# Altium PCB 1XGSH00_197制版1210.PcbDoc (continued)
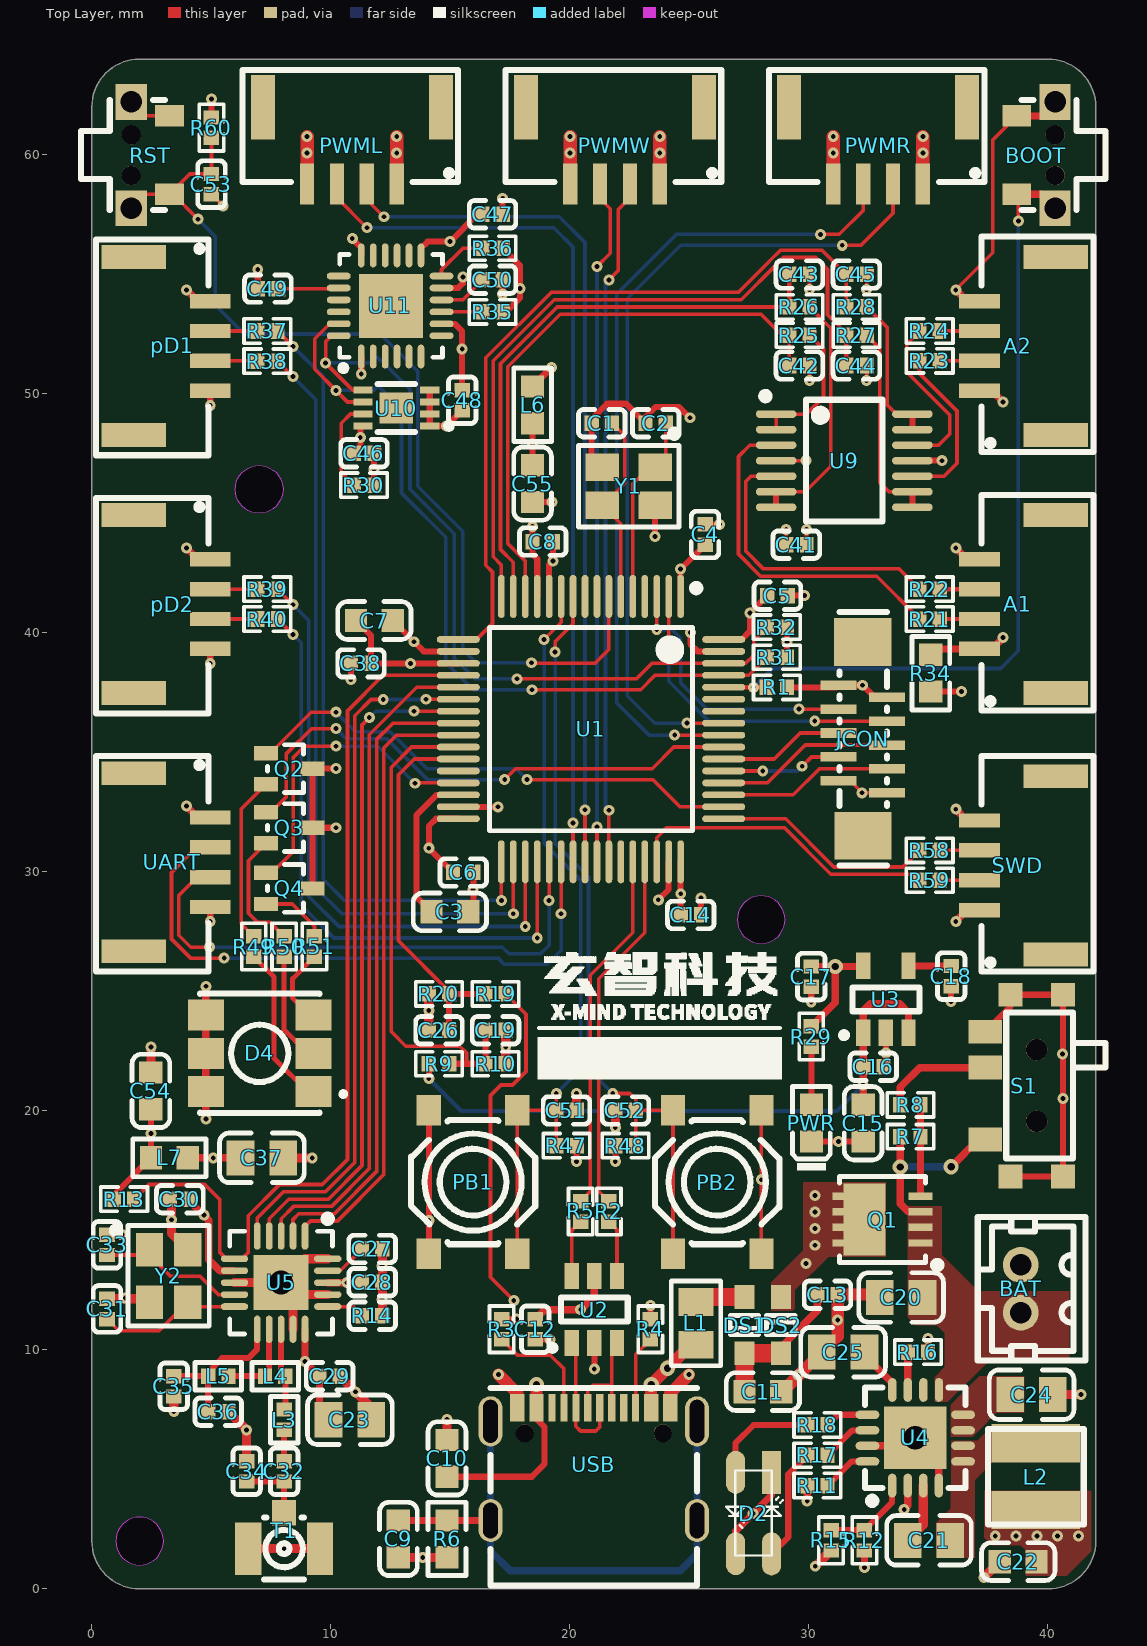
[diagram p0: Top Layer view]
## Footprints (in the part's own frame and the unit in brackets; to place one, negate y for a bottom-side part, rotate by r counter-clockwise, add the part's x,y. Pads: shape width x height; smd on the part's side, far side on the other; paste and mask are expansions set on the pad) (continued)
QFN-24_4x4x05P [mm]
  rect 2.68x2.68 smd mask+0.051: 0(0,0)
  oval 0.28x1 smd mask+0.051: 1(-1.25,-2.118) 2(-0.75,-2.118) 3(-0.25,-2.118) 4(0.25,-2.118) 5(0.75,-2.118) 6(1.25,-2.118) 13(1.25,2.112) 14(0.75,2.112) 15(0.25,2.112) 16(-0.25,2.112) 17(-0.75,2.112) 18(-1.25,2.112)
  oval 1x0.28 smd mask+0.051: 7(2.109,-1.25) 8(2.109,-0.75) 9(2.109,-0.25) 10(2.109,0.25) 11(2.109,0.75) 12(2.109,1.25) 19(-2.191,1.25) 20(-2.191,0.75) 21(-2.191,0.25) 22(-2.191,-0.25) 23(-2.191,-0.75) 24(-2.191,-1.25)
  silkscreen extent -2.15,-2.72 2.15,2.15, body extent -2.02,-2.03 2.02,2.01, height 0.88
SC-70(SC-70-3) [mm]
  rect 1x0.6 smd: 1(0.97,-0.65) 2(-0.97,0) 3(0.97,0.65)
  silkscreen extent -0.6,-1 0.9,1, body extent -1.12,-1.1 1.12,1.1, height 1.1
SMD-3225_4P [mm]
  rect 1.4x1.15 smd: 1(-1.1,-0.927) 2(1.1,-0.927) 3(1.1,0.673) 4(-1.1,0.673)
  silkscreen extent -2.1,-2.48 2.1,1.57, body extent -1.6,-1.38 1.6,1.12, height 0.61
SOD-323 [mm]
  rect 1x0.83 smd: 1(1.18,0) 2(-1.18,0)
  silkscreen extent -0.4,-0.6 0.4,0.6, body extent -1.35,-0.62 1.35,0.63, height 1.1
SOT-23-5 [mm]
  rect 1.1x0.6 smd: 1(-1.4,0.95) 2(-1.4,0) 3(-1.4,-0.95) 4(1.4,-0.95) 5(1.4,0.95)
  silkscreen extent -1.62,-1.4 0.5,1.87, body extent -1.25,-1.5 1.25,1.5, height 1.06
SOT-23-6 [mm]
  rect 1.1x0.6 smd: 1(-1.403,0.889) 2(-1.403,-0.061) 3(-1.403,-1.011) 4(1.397,-1.011) 5(1.397,-0.061) 6(1.397,0.889)
  silkscreen extent -1.73,-1.46 0.5,1.81, body extent -1.23,-1.46 1.19,1.33, height 1.09
SW-SMD_3P-SK-3296S-01-L1 [mm]
  rect 1x1 smd: 0(-3.8,-1.625) 0(-3.8,0.575) 0(3.8,-1.625) 0(3.8,0.575)
  rect 1x1.4 smd: 1(-2.25,1.625) 2(0.75,1.625) 3(2.25,1.625)
  round 0.9 hole 0.9 unplated: ""(-1.5,-0.525) ""(1.5,-0.525)
  silkscreen extent -3.05,-3.4 3.05,0.75, body extent -3.9,-3.4 3.9,1.85, height 1.35
SW-SMD_4P-L5.2-W5.2-P3.70-LS6.4 [mm]
  rect 1.27x1.016 smd: 1(-3,1.85) 2(3,1.85) 3(-3,-1.85) 4(3,-1.85)
  silkscreen extent -2.6,-2.6 2.6,2.6, body extent -3.2,-2.6 3.2,2.6, height 1.5
SW-SMD_TS-1010B-B-A [mm]
  rect 0.9x1.2 smd: 1(-1.64,-0.8) 2(1.64,-0.8)
  rect 1.5x1.3 hole 0.9: 3(-2.225,0.8) 4(2.225,0.8)
  round 0.8 hole 0.8 unplated: ""(-0.85,0.8) ""(0.85,0.8)
  silkscreen extent -2.3,-0.6 2.3,2.9, body extent -2.33,-0.76 2.33,2.9, height 2.65
TSSOP-14 [mm]
  oval 0.32x1.7 smd: 1(-1.95,-2.85) 2(-1.3,-2.85) 3(-0.65,-2.85) 4(0,-2.85) 5(0.65,-2.85) 6(1.3,-2.85) 7(1.95,-2.85) 8(1.95,2.85) 9(1.3,2.85) 10(0.65,2.85) 11(0,2.85) 12(-0.65,2.85) 13(-1.3,2.85) 14(-1.95,2.85)
  silkscreen extent -2.85,-3.45 2.55,1.6
UDFN-8L [mm]
  rect 1.3x1.4 smd: 0(0,0)
  rect 0.3x0.8 smd: 1(-0.75,-1.4) 2(-0.25,-1.4) 3(0.25,-1.4) 4(0.75,-1.4) 5(0.75,1.4) 6(0.25,1.4) 7(-0.25,1.4) 8(-0.75,1.4)
  silkscreen extent -1,-2.32 1,0.79, body extent -1,-1.5 1,1.5, height 0.53
"USB_TypeC_16Pin (2.0)" [mm]
  oval 1x1.799 hole 0.61 slot 1.5 at 90 deg: 0(-4.572,-1.458) 0(4.068,-1.458)
  oval 1x2.099 hole 0.61 slot 1.8 at 90 deg: 0(-4.572,2.692) 0(4.068,2.692)
  round 0.75 hole 0.756 unplated: 0(-3.142,2.192)
  round 0.75 hole 0.75: 0(2.638,2.192)
  rect 0.6x1.15 smd: A1B12(-3.452,3.267) A4B9(-2.652,3.267) B1A12(2.948,3.267) B4A9(2.148,3.267)
  rect 0.3x1.15 smd: A5(-1.502,3.267) A6(-0.502,3.267) A7(-0.002,3.267) A8(-2.002,3.267) B5(1.498,3.267) B6(0.498,3.267) B7(-1.002,3.267) B8(0.998,3.267)
  silkscreen extent -4.57,-4.18 4.07,4.08, body extent -4.72,-4.15 4.23,3.6, height 3.3
X1251WRS-04HF-LPSW [mm]
  rect 0.6x1.7 smd: 1(-1.875,1.6) 2(-0.625,1.6) 3(0.625,1.6) 4(1.875,1.6)
  rect 1x2.7 smd: 5(3.725,-1.6) 6(-3.725,-1.6)
  silkscreen extent -4.45,-3.18 4.57,1.52, body extent -4.12,-3.05 4.12,1.85, height 4.35

## Part data
BAT: library part XH2.5, "XH2.5 Connector"
BOOT PB1 PB2 RST: library part SW-PB-SPST
C1 C2 C3 C4 C5 C6 C7 C8 C9 C10 C11 C12 C13 C14 C15 C16 C17 C18 C19 C20 C21 C22 C23 C24 C25 C26 C27 C28 C29 C30 C31 C32 C33 C34 C35 C36 C37 C38 C41 C42 C43 C44 C45 C46 C47 C48 C49 C50 C51 C52 C53 C54 C55: library part Capacitor, "Capacitor"
D2: library part LED_Dual_2, "Dual LED Single Package"
D4: "5050 RGB LED"
DS1 DS2: library part "Diode Scotty", "Scotty Diode"
JCON: "FPC 0.5mm 14P"
L1 L2 L6 L7: library part Inductor, "Inductor", Code_IEC=1005, Code_JEITA=0402, LatestRevisionDate=29-May-2009, LatestRevisionNote="IPC-7351 Footprint Added.", PackageDescription="Chip Inductor", PackageReference=0402-A, Published=8-Jun-2000, Publisher="Altium Limited"
Q1: "P-Channel MOSFET"
Q2 Q3 Q4: library part MMBT3904, "NPN Bipolar Transistor", Code_JEDEC=TO-226-AA, LatestRevisionDate=17-Jul-2002, LatestRevisionNote="Re-released for DXP Platform.", PackageDescription="TO, Flat Index; 3 In-Line, Axial Leads; Body Dia. 4.8mm; Leads 0.55 x 0.51 mm (max)", PackageReference=TO-226-AA, Published=8-Jun-2000, Publisher="Altium Limited"
R1 R2 R3 R4 R5 R6 R7 R8 R9 R10 R11 R12 R15 R16 R17 R18 R19 R20 R21 R22 R23 R24 R25 R26 R27 R28 R29 R30 R31 R32 R34 R35 R36 R37 R38 R39 R40 R47 R48 R49 R50 R51 R58 R59 R60: library part Resistor, "Resistor"
R13 R14: library part Resistor
S1: library part SW_SPDT, "SPDT Swtch Slide"
T1: library part ANT_IPEX1, "IPEX"
U1: "STM32 Series MCU"
U3: library part RT9193, "RT9193-LDO"
U4: "5V 输入两节锂电池升压充电IC"
U5: "超低功耗高性能 2.4GHz GFSK 无线收发芯片"
U9: "4 Channels OPAMP"
U10: "EEPROM"
U11: library part MPU6050, "GyroScope (IMU)"
USB: library part "USB TypeC 16Pin"
Y1 Y2: library part XTAL_SMD
L3 L4 L5: Code_IEC=1005, Code_JEITA=0402, LatestRevisionDate=29-May-2009, LatestRevisionNote="IPC-7351 Footprint Added.", PackageDescription="Chip Inductor", PackageReference=0402-A, Published=8-Jun-2000, Publisher="Altium Limited"

## Free pads (board coordinates)
  round 1.5 hole 1: 2(7.919,12.811) 3(34.449,6.325)

## Via types
v1: diameter 0.457, hole 0.203, Top Layer to Bottom Layer, 189 vias
v2: diameter 0.635, hole 0.305, Top Layer to Bottom Layer, 6 vias

## Nets (pads, with @x,y where several pads share a name; then routed paths per layer and width w, separated by ;. In a path a pad name is that pad's centre, name@x,y a point inside that pad or via, vN(x,y) a via of type N, cw(c..) or ccw(c..) an arc to the next point about the centre after c; other vN are vias at no path point)
+3.3V: A1.4 A2.4 BOOT.1 BOOT.3 C4.2 C5.2 C6.2 C7.2 C14.2 C17.2 C38.2 C46.2 C47.2 C48.2 C54.2 D4.4 D4.5 D4.6 JCON.1 JCON.2 L6.1 L7.1 pD1.1 pD2.1 R13.1 R29.1 R31.1 R32.1 R35.1 R36.2 R47.1 R48.1 R60.1 SWD.4 U1.1 U1.19 U1.32 U1.48 U1.64 U3.5 U10.8 U11.8 U11.13 UART.1 | length 68.6
  Top Layer w0.152: JCON.2 31.727,33.805 v1(32.227,33.305) JCON.1 ; v1(36.145,54.347) 37.694,55.896 37.694,60.617 BOOT.1
  Top Layer w0.254: R13.1 0.928,16.489 L7.1 v1(2.473,19.05) C54.2 ; R60.1 v1(5.004,62.332) ; C46.2 11.232,47.776 v1(11.232,48.162) 11.232,48.548 U10.8 ; C7.2 11.684,39.878 C38.2 v1(13.335,38.719) U1.19 ; U11.13 13.771,56.087 14.046,56.363 v1(14.986,56.363) C47.2@16.129,57.506 ; U11.8 15.186,52.925 15.494,52.617 C48.2 ; C6.2 v1(14.097,30.988) 14.097,31.916 14.4,32.219 U1.32 ; R35.1 17.332,53.425 17.907,54 v1(17.907,54.407) 17.907,55.37 R36.2 ; v1(20.281,17.882) R47.1 ; v1(21.9,17.882) R48.1 ; C14.2 U1.48 ; U1.1@24.633,40.772 U1.1 v1(24.633,42.667) C4.2 ; U1.64 27.197,39.719 27.534,40.056 v1(27.534,40.83) C5.2 ; R31.1 v1(29.084,39.605) R32.1
  Top Layer w0.305: v1(3.965,32.747) 4.437,32.275 UART.1 ; v1(3.965,43.547) 4.437,43.075 pD2.1 ; v1(3.965,54.347) 4.437,53.875 pD1.1 ; v1(4.771,19.66) D4.6 D4.5 D4.4 v1(4.771,25.21) ; L6.1 v1(19.228,51.099) ; C17.2@29.928,26.041 v2(31.098,26.041) ; R29.1 31.098,24.533 v2(31.098,26.041) ; U3.5@32.268,26.041 v2(31.098,26.041) ; v1(36.145,32.62) 36.617,32.148 SWD.4 ; v1(36.145,43.547) 36.617,43.075 A1.4 ; v1(36.145,54.347) 36.617,53.875 A2.4 ; BOOT.1 39.715,61.623 BOOT.3
  other v1: 24.638,29.083 15.494,51.867
+3.3V-RF: C23.2 C28.2 C29.2 C30.2 C37.2 L7.2 U5.7 U5.15 U5.18 | length 12
  Top Layer w0.305: C30.2@4.013,16.307 4.673,15.646 v1(4.699,15.646) 4.699,15.621 4.893,15.427 4.893,13.776 5.358,13.311 U5.7 ; L7.2 v1(5.08,18.034) C37.2 ; U5.15 v1(8.919,9.507) C29.2 9.525,7.46 C23.2 ; U5.18 v1(10.668,12.811) 11.287,12.811 C28.2
+3.3VA: C8.2 C41.1 C55.2 L6.2 U1.13 U9.4 | length 28.1
  Top Layer w0.152: U9.4 v1(29.883,47.199) ; C41.1 v1(29.899,44.323)
  Top Layer w0.254: v1(18.437,44.45) C8.2 18.437,43.285 18.633,43.089 U1.13 ; C55.2 v1(18.437,47.89) L6.2
  PWR w0.381: v1(18.437,44.45) v1(18.437,47.89) 18.437,49.044 19.406,50.013 28.703,50.013 29.883,48.833 v1(29.883,47.199) 29.899,47.183 v1(29.899,44.323)
+5.0V: C11.2 C13.2 DS1.2 DS2.1 | length 6.2
  Top Layer w0.305: DS2.1 28.829,10.111 30.353,11.635 C13.2
  Top Layer w0.762: C11.2 DS1.2 DS2.1
AGND: A1.1 A2.1 C8.1 C41.2 C42.1 C43.1 C44.1 C45.1 C55.1 R34.1 U1.12 U9.11 | length 12.6
  Top Layer w0.152: C41.2 v1(29.049,44.323) ; v1(30.026,50.546) C42.1 ; v1(30.026,54.356) C43.1 ; v1(32.412,50.546) C44.1 ; v1(32.412,54.356) C45.1
  Top Layer w0.254: C55.1 v1(19.256,45.472) ; U1.12 19.133,42.842 v1(19.287,42.996) C8.1 ; U9.11 v1(35.56,47.199)
  Top Layer w0.305: R34.1 35.35,39.325 A1.1 ; A2.1 37.653,50.125 v1(38.125,49.653) ; v1(38.125,39.797) A1.1@37.653,39.325 ; A1.1 A1.1@37.653,39.325 ; A1.1 A1.1@37.653,39.325
ANALOG_IN0: A1.2 R21.1 | length 1.7
  Top Layer w0.178: R21.1 A1.2
ANALOG_IN1: A1.3 R22.1 | length 1.7
  Top Layer w0.178: R22.1 A1.3
ANALOG_IN2: A2.2 R23.1 | length 1.7
  Top Layer w0.152: R23.1 A2.2
ANALOG_IN3: A2.3 R24.1 | length 1.7
  Top Layer w0.152: R24.1 A2.3
BOOT0: BOOT.2 BOOT.4 R1.2 U1.60 | length 34.5
  Top Layer w0.152: BOOT.2 38.76,58.283 v1(38.76,57.226)
  Top Layer w0.203: U1.60 v1(27.686,37.719) R1.2
  Top Layer w0.305: BOOT.2 39.715,58.343 BOOT.4
  Bottom Layer w0.152: v1(27.686,37.719) 28.473,38.506 38.024,38.506 38.76,39.243 v1(38.76,57.226)
DIGITAL_IO0: pD1.2 R37.1 | length 2
  Top Layer w0.152: pD1.2@4.955,52.625 R37.1
DIGITAL_IO1: pD1.3 R38.1 | length 2
  Top Layer w0.152: pD1.3 6.909,51.375 R38.1
DIGITAL_IO2: pD2.2 R39.1 | length 2
  Top Layer w0.152: pD2.2 R39.1
DIGITAL_IO3: pD2.3 R40.1 | length 2
  Top Layer w0.152: pD2.3 4.956,40.576 R40.1
GND: BAT.2 C1.1 C2.1 C3.2 C4.1 C5.1 C6.1 C7.1 C9.1 C10.1 C11.1 C12.1 C13.1 C14.1 C15.1 C16.1 C17.1 C18.2 C19.1 C20.1 C22.1 C23.1 C24.1 C25.2 C26.1 C27.2 C28.1 C29.1 C30.1 C31.1 C33.2 C34.1 C35.1 C36.1 C37.1 C38.1 C46.1 C47.1 C48.1 C49.1 C50.2 C51.1 C52.1 C53.1 C54.1 JCON.9 JCON.10 pad.2 pad.3 PB1.1 PB1.2 PB2.1 PB2.2 pD1.4 pD2.4 PWML.4 PWMR.4 PWMW.4 PWR.2 Q2.2 Q3.2 Q4.2 R1.1 R3.1 R4.1 R6.2 R10.2 R14.2 R15.2 R16.2 R20.2 R30.2 R34.2 RST.2 RST.4 S1.0 S1.3 SWD.1 T1.1 T1.3 U1.18 U1.31 U1.47 U1.63 U2.2 U3.2 U4.0 U4.4 U4.15 U5.0 U5.8 U5.14 U5.17 U5.20 U10.1 U10.2 U10.3 U10.4 U11.1 U11.11 U11.18 UART.4 USB.A1B12 USB.B1A12 Y1.2 Y1.4 Y2.2 Y2.4 | length 140.9
  Top Layer w0.152: RST.4 2.236,61.623 RST.2 ; C53.1 v1(5.486,57.861) ; PB2.2 v1(28.012,17.12) PB2.1
  Top Layer w0.254: v1(4.955,27.916) UART.4 ; v1(4.955,38.716) pD2.4 ; v1(4.955,49.516) pD1.4 ; C49.1 v1(6.943,55.203) ; Q4.2 Q3.2 ; v1@10.114,31.844 Q3.2 ; v1@10.114,34.315 Q2.2 Q3.2 ; v1(10.834,38.037) C38.1 ; v1(10.897,56.49) 11.271,56.115 U11.18 ; v1(11.271,50.832) U11.1 ; R30.2 v1(11.811,46.841) C46.1 ; C7.1 v1(13.478,39.624) 13.883,39.219 U1.18 ; PB1.1 PB1.2 ; U10.4 U10.3 U10.2 U10.1 v1(14.844,48.653) C48.1 ; U11.11 15.334,54.425 15.524,54.615 v1(15.524,54.889) ; U1.31 v1(16.989,32.719) ; C3.2 15.963,28.536 C6.1 ; R3.1 v1(17.764,11.288) ; v1(17.189,54.178) C50.2 ; C47.1 v1(17.189,58.18) ; C12.1 v1(19.166,10.438) ; v1(21.021,9.205) U2.2 ; Y1.2 20.911,47.381 C1.1 20.911,48.938 21.554,49.581 22.351,49.581 C2.1 23.164,49.03 23.588,49.454 24.562,49.454 v1(25.019,48.997) ; R4.1 v1(23.368,11.862) ; v1(23.563,44.028) Y1.4 ; v1(23.698,28.829) 24.13,29.261 24.13,30.416 U1.47 ; v1(25.044,40.005) 25.044,39.522 25.348,39.219 U1.63 ; C14.1 v1(25.483,28.912) ; C4.1 v1(26.252,44.538) ; R1.1 31.158,37.719 JCON.10 v1(32.248,37.805) 32.748,37.305 JCON.9 ; C5.1 v1(29.817,41.554) ; v1(30.097,24.551) C17.1 ; PWR.2 v1(31.242,18.713) C15.1 ; C16.1 33.218,21.944 v1(33.218,22.428) U3.2 ; R16.2 v1(34.984,10.473) ; R34.2 v1(36.376,37.538) ; v1(35.95,24.571) C18.2 ; S1.3 38.425,24.358 38.425,24.858 40.625,24.858 v1(40.625,20.523) 40.625,17.258 S1.0@38.425,17.258
  Top Layer w0.305: U4.15 34.109,5.984 U4.0 35.435,5.339 U4.4 ; v1(36.145,27.926) 36.617,28.398 SWD.1
  Top Layer w0.381: C31.1 2.274,12.138 Y2.2 ; C33.2 v1(1.262,14.82) ; C54.1 v1(2.473,22.666) ; C30.1 3.331,16.307 v1(3.331,15.443) 3.331,14.88 Y2.4 ; v1(3.429,7.417) C35.1 ; C36.1 v1(6.477,6.654) C34.1 ; U5.8 U5.0 ; T1.1 v1(8.045,1.686) T1.3 ; C37.1 v1(9.22,18.034) ; U5.14 U5.0@8.419,12.311 ; U5.17 U5.0@8.419,12.311 ; U5.20 8.919,13.811 U5.0 ; C29.1 v1(11.031,8.246) 11.686,7.59 C23.1 ; R14.2 C28.1 C27.2 ; C9.1 R6.2 ; C26.1@14.097,23.495 v1(14.097,24.193) R20.2 ; C10.1 v1(14.859,7.087) ; R10.2 v1(17.316,22.669) C19.1 ; C51.1 v1(20.281,20.726) ; v1(21.9,19.309) C52.1 ; v1(30.265,0.947) R15.2 ; v1(37.325,0.483) C22.1 ; C24.1 v1(41.377,8.128) ; U5.0 U5.0@8.419,12.311
  Top Layer w0.508: v1(17.018,8.966) 17.8,8.184 USB.A1B12 ; USB.B1A12 24.2,8.184 v1(24.982,8.966) ; C11.1 28.89,8.255 C25.2 31.203,10.568 v1(31.203,11.252) C13.1 32.849,12.311 C20.1
  Top Layer w0.559: PWML.4 v1(9.005,60.078) v1(9.005,60.757) ; PWMW.4 v1(20.012,60.078) v1(20.012,60.757) ; PWMR.4 v1(31.018,60.078) v1(31.018,60.757)
  other v1: 13.843,1.321 29.54,8.941 12.141,12.116 1.397,12.167 12.141,13.513 14.097,15.418 40.615,22.377 15.951,29.261 10.211,31.844 10.211,34.315
I2C_SCL: R31.2 U1.61 U10.6 U11.23 | length 34.2
  Top Layer w0.152: U11.23 9.949,52.925 9.322,52.298 9.322,51.029 v1(10.211,50.14) 10.697,49.653 U10.6 ; v1(18.415,37.617) 22.962,37.617 23.563,38.219 U1.61 27.477,38.219 R31.2
  Bottom Layer w0.152: v1(10.211,50.14) 11.786,50.14 11.976,50.33 12.954,49.352 12.954,45.847 14.808,43.993 14.808,38.76 15.951,37.617 v1(18.415,37.617)
I2C_SDA: R32.2 U1.62 U10.5 U11.24 | length 34.5
  Top Layer w0.152: U11.24 10.032,52.425 9.779,52.172 v1(9.779,51.283) 10.909,50.153 U10.5 ; v1(17.78,38.075) 22.784,38.075 23.428,38.719 U1.62 27.34,38.719 27.686,39.065 27.686,39.685 R32.2
  Bottom Layer w0.152: v1(9.779,51.283) 9.786,51.289 11.626,51.289 11.899,51.562 12.051,51.41 12.071,51.429 13.31,50.19 13.31,45.999 15.164,44.145 15.164,38.938 16.027,38.075 v1(17.78,38.075)
IMU_INT: R36.1 U11.12 | length 2.1
  Top Layer w0.152: U11.12 14.63,55.194 15.524,56.088 R36.1@16.129,56.088
MABI: PWML.2 U1.40 | length 36.4
  Top Layer w0.152: PWML.2 11.505,58.116 v1(12.217,57.404) ; U1.40 v1(20.633,32.593)
  Bottom Layer w0.152: v1(12.217,57.404) 19.558,57.404 20.633,56.329 v1(20.633,32.593)
MAFI: PWML.3 U1.39 | length 37
  Top Layer w0.152: PWML.3 10.255,58.198 v1(11.506,56.947) ; U1.39 v1(20.133,32.034)
  Bottom Layer w0.152: v1(11.506,56.947) 19.329,56.947 20.133,56.143 v1(20.133,32.034)
MBBI: PWMR.2 U1.57 | length 34.9
  Top Layer w0.152: v1(24.892,36.219) U1.57 ; v1(31.394,56.21) 32.182,56.21 33.518,57.546 PWMR.2
  Bottom Layer w0.152: v1(24.892,36.219) 23.547,36.219 22.403,37.363 22.403,53.975 24.638,56.21 v1(31.394,56.21)
MBFI: PWMR.3 U1.56 | length 35
  Top Layer w0.152: v1(24.384,35.719) U1.56 ; v1(30.48,56.667) 31.267,56.667 32.268,57.668 PWMR.3
  Bottom Layer w0.152: v1(24.384,35.719) 23.311,35.719 21.954,37.075 21.954,54.161 24.46,56.667 v1(30.48,56.667)
MCU_ADC0: C42.2 R25.2 U1.14 | length 24.2
  Top Layer w0.152: U1.14 18.133,43.005 17.399,43.739 17.399,51.128 19.596,53.325 27.996,53.325 28.87,52.451 R25.2 C42.2
MCU_ADC1: C43.2 R26.2 U1.15 | length 24.4
  Top Layer w0.152: U1.15 17.633,42.946 17.094,43.485 17.094,51.254 19.47,53.63 R26.2
  Top Layer w0.178: R26.2 C43.2
MCU_ADC2: C44.2 R27.2 U1.16 | length 30.3
  Top Layer w0.152: U1.16 17.133,42.833 16.789,43.177 16.789,51.381 19.344,53.935 27.173,53.935 28.647,55.41 28.939,55.702 30.277,55.702 30.778,55.201 30.778,53.309 31.562,52.525 R27.2
  Top Layer w0.178: C44.2 R27.2
MCU_ADC3: C45.2 R28.2 U1.17 | length 31.7
  Top Layer w0.152: U1.17 16.097,39.719 16.764,40.386 16.764,42.545 16.485,42.824 16.485,51.507 19.217,54.24 27.047,54.24 28.343,55.536 ; 28.343,55.537 28.813,56.007 30.546,56.007 C45.2 R28.2
MWBI: PWMW.2 U1.42 | length 28.8
  Top Layer w0.152: U1.42 v1(21.633,32.576) ; v1(21.633,54.762) 22.022,55.151 22.022,57.709 22.511,58.198 PWMW.2
  Bottom Layer w0.152: v1(21.633,32.576) 21.488,32.72 21.488,54.618 v1(21.633,54.762)
MWFI: PWMW.3 U1.41 | length 28.8
  Top Layer w0.152: U1.41 v1(21.133,31.882) ; v1(21.133,55.321) 21.692,55.88 21.692,57.734 21.262,58.164 PWMW.3
  Bottom Layer w0.152: v1(21.133,31.882) v1(21.133,55.321)
NetC1_2: C1.2 U1.6 Y1.3 | length 8.2
  Top Layer w0.152: C1.2 22.291,48.238 22.291,46.258 Y1.3 22.133,44.559 U1.6
NetC2_2: C2.2 U1.5 Y1.1 | length 8
  Top Layer w0.152: U1.5 22.633,46.238 23.324,46.929 Y1.1 24.014,47.381 C2.2
NetC3_1: C3.1 U1.30 | length 6.4
  Top Layer w0.254: C3.1 13.589,28.94 13.589,32.385 14.423,33.219 U1.30
NetC9_2: C9.2 R6.1 USB.0@16.68,2.86 USB.0@16.68,7.01 USB.0@25.32,2.86 USB.0@25.32,7.01 | length 24.1
  Top Layer w0.305: C9.2 R6.1 USB.0@16.68,2.86
  Bottom Layer w0.305: USB.0@16.68,7.01 16.68,2.86 16.68,1.583 17.501,0.762 24.613,0.762 25.32,1.469 25.32,2.86 USB.0@25.32,7.01
NetC18_1: C18.1 U3.4 | length 1.8
  Top Layer w0.305: U3.4 34.174,26.06 C18.1
NetC21_1: C21.1 L2.2 U4.5 U4.6
NetC21_2: C21.2 U4.3 | length 2.6
  Top Layer w0.381: C21.2 34.784,2.682 U4.3
NetC24_2: C24.2 U4.7 U4.8
NetC25_1: C25.1 U4.12 | length 2.1
  Top Layer w0.305: C25.1@32.193,9.906 33.489,8.61 U4.12
NetC27_1: C27.1 U5.19 | length 1.8
  Top Layer w0.152: U5.19 10.39,13.311 C27.1
NetC31_2: C31.2 U5.10 Y2.3 | length 6.1
  Top Layer w0.152: C31.2 1.128,10.795 2.81,10.795 Y2.3 4.2,11.811 U5.10
NetC32_1: C32.1 L3.2 | length 1.3
  Top Layer w0.254: C32.1 L3.2
NetC32_2: C32.2 C34.2 T1.2 | length 2.9
  Top Layer w0.254: C34.2 C32.2 T1.2
NetC33_1: C33.1 U5.9 Y2.1 | length 6
  Top Layer w0.152: C33.1 2.401,13.97 3.29,13.081 4.529,13.081 5.299,12.311 U5.9
NetC35_2: C35.2 C36.2 L5.2 U5.11 | length 6.4
  Top Layer w0.254: C35.2 L5.2 ; C36.2 L5.2 ; U5.11 6.919,10.026 6.545,9.652 5.445,9.652 4.865,9.072 L5.2
NetC49_2: C49.2 U11.20 | length 2.5
  Top Layer w0.152: C49.2 10.303,54.398 U11.20
NetC50_1: C50.1 U11.10 | length 2
  Top Layer w0.152: U11.10 15.52,53.925 16.129,54.534 C50.1@16.129,54.774
NetC51_2: C51.2 PB1.3 PB1.4 R47.2 U1.11 | length 32
  Top Layer w0.152: PB1.3 PB1.4 C51.2 ; v1(18.923,39.726) 19.633,40.436 U1.11 ; R47.2 C51.2 ; v1(19.431,20.726) C51.2
  Bottom Layer w0.152: v1(18.923,39.726) 18.923,31.182 20.447,29.658 20.447,21.742 v1(19.431,20.726)
NetC52_2: C52.2 PB2.3 PB2.4 R48.2 U1.10 | length 32.7
  Top Layer w0.152: v1@19.38,39.167 v1(19.38,39.192) 19.38,39.624 20.133,40.377 U1.10 ; v1(21.793,20.726) 22.504,20.726 22.75,20.481 C52.2 ; R48.2 C52.2 ; PB2.4 PB2.3 C52.2
  Bottom Layer w0.152: v1(19.38,39.192) 19.38,31.191 20.777,29.794 20.777,21.742 v1(21.793,20.726)
NetD2_2: D2.2 R17.2 | length 4.7
  Top Layer w0.254: D2.2 29.134,2.163 29.134,4.797 R17.2
NetD2_3: D2.3 R18.2 | length 4.5
  Top Layer w0.254: D2.3 26.936,6.108 27.686,6.858 R18.2
NetD4_1: D4.1 R49.1 | length 6.8
  Top Layer w0.203: R49.1 7.62,25.602 7.62,22.208 9.025,20.803 D4.1
NetD4_2: D4.2 R50.1 | length 4.8
  Top Layer w0.203: R50.1 8.044,23.386 8.958,22.471 D4.2@9.271,22.784
NetD4_3: D4.3 R51.1 | length 3.1
  Top Layer w0.203: D4.3@9.271,24.384 8.726,24.384 8.4,24.71 8.4,25.533 R51.1
NetDS1_1: DS1.1 L1.2 | length 2.1
  Top Layer w0.762: L1.2 25.492,12.217 DS1.1
NetJCON_3: JCON.3 U1.51 | length 7.3
  Top Layer w0.152: U1.51 29.342,33.219 30.429,34.305 JCON.3
NetJCON_4: JCON.4 U1.53 | length 5.1
  Top Layer w0.152: U1.53 v1(28.067,34.219) ; v1(29.718,34.417) 30.107,34.806 JCON.4
  Bottom Layer w0.152: v1(28.067,34.219) 29.52,34.219 v1(29.718,34.417)
NetJCON_5: JCON.5 U1.52 | length 7.5
  Top Layer w0.152: U1.52 28.258,33.719 29.843,35.304 JCON.5
NetJCON_6: JCON.6 U1.54 | length 5.3
  Top Layer w0.152: U1.54 28.549,34.719 29.636,35.806 JCON.6
NetJCON_7: JCON.7 U1.2 | length 13.4
  Top Layer w0.152: v1(24.133,39.624) U1.2 ; v1(30.244,36.304) JCON.7
  Bottom Layer w0.152: v1(24.133,39.624) 24.133,37.97 25.799,36.304 v1(30.244,36.304)
NetJCON_8: JCON.8 U1.3 | length 11.6
  Top Layer w0.152: v1(23.633,40.135) U1.3 ; v1(29.591,36.807) JCON.8
  Bottom Layer w0.152: v1(23.633,40.135) 24.269,40.135 24.638,39.766 24.638,37.896 25.727,36.807 v1(29.591,36.807) ; v1@29.591,36.83 v1@29.718,36.83
NetL3_1: L3.1 L4.2 U5.13 | length 3.5
  Top Layer w0.152: L4.2@7.919,9.078 L4.2 ; L3.1 L3.1@8.096,7.555
  Top Layer w0.254: L4.2@7.919,9.078 U5.13 ; L3.1@8.096,7.555 L4.2
NetL4_1: L4.1 L5.1 U5.12 | length 3.6
  Top Layer w0.152: L4.1 L4.1@7.419,9.075
  Top Layer w0.254: L5.1 L4.1 ; L4.1@7.419,9.075 U5.12
NetPWR_1: PWR.1 R29.2 | length 2.4
  Top Layer w0.254: PWR.1 R29.2@30.107,22.682
NetQ2_1: Q2.1 U1.50 | length 21.2
  Top Layer w0.152: Q2.1@7.525,35.019 9.184,36.678 v1(10.211,36.678) ; v1(18.212,33.858) 23.47,33.858 24.609,32.719 U1.50
  Bottom Layer w0.152: v1(10.211,36.678) 11.024,35.865 12.471,35.865 14.02,34.315 17.755,34.315 v1(18.212,33.858)
NetQ2_3: Q2.3 R49.2 | length 7
  Top Layer w0.152: R49.2 6.248,27.823 6.248,32.629 Q2.3
NetQ3_1: Q3.1 U1.55 | length 23
  Top Layer w0.152: Q3.1 7.5,32.494 8.128,33.122 8.128,34.924 9.196,35.992 v1@10.135,35.992 ; v1(17.272,33.858) 17.729,34.315 23.447,34.315 24.351,35.219 U1.55
  Bottom Layer w0.152: v1(10.211,35.992) 10.643,35.56 12.344,35.56 14.046,33.858 v1(17.272,33.858)
NetQ3_3: Q3.3 R50.2 | length 5.1
  Top Layer w0.152: Q3.3 6.553,30.462 6.553,28.263 6.927,27.889 7.452,27.889 R50.2
NetQ4_1: Q4.1 U1.29 | length 13
  Top Layer w0.152: Q4.1@7.525,29.954 8.433,30.862 8.433,34.798 8.89,35.255 v1(10.211,35.255) ; v1(13.513,33.706) 13.526,33.719 U1.29
  Bottom Layer w0.152: v1(10.211,35.255) 11.963,35.255 v1(13.513,33.706)
NetQ4_3: Q4.3 R51.2 | length 2.8
  Top Layer w0.152: Q4.3 8.379,28.654 9.314,27.719 R51.2
NetR2_1: R2.1 U2.4 | length 2.4
  Top Layer w0.152: R2.1 21.971,15.029 U2.4
NetR3_2: R3.2 USB.A5 | length 4.7
  Top Layer w0.152: R3.2 17.804,9.779 19.177,9.779 19.75,9.206 USB.A5
NetR4_2: R4.2 USB.B5 | length 3.1
  Top Layer w0.152: USB.B5 22.75,9.82 R4.2
NetR5_1: R5.1 U2.6 | length 2.4
  Top Layer w0.152: U2.6 20.071,14.991 R5.1
NetR8_2: R8.2 S1.2 | length 4.1
  Top Layer w0.305: R8.2 33.821,20.994 34.635,21.808 S1.2@36.839,21.808
NetR11_1: R11.1 U4.16 | length 2.1
  Top Layer w0.254: R11.1 31.787,5.334 U4.16
NetR12_2: R12.2 R15.1 U4.1 | length 3.7
  Top Layer w0.254: R15.1 R12.2 33.484,3.619 U4.1
NetR14_1: R14.1 U5.16 | length 1.6
  Top Layer w0.152: U5.16 10.922,11.811 R14.1
NetR16_1: R16.1 U4.11 | length 1.6
  Top Layer w0.305: R16.1 34.139,9.901 U4.11
NetR17_1: R17.1 U4.14 | length 2.1
  Top Layer w0.254: R17.1 31.821,6.634 U4.14
NetR18_1: R18.1 U4.13 | length 1.8
  Top Layer w0.254: R18.1 31.205,7.285 U4.13
NetR21_2: R21.2 U9.3 | length 14.6
  Top Layer w0.152: U9.3 27.529,47.849 27.051,47.371 27.051,43.291 27.975,42.367 32.835,42.367 R21.2
NetR22_2: R22.2 U9.5 | length 12.2
  Top Layer w0.152: U9.5 27.576,46.549 27.356,46.329 27.356,43.417 28.101,42.672 33.78,42.672 R22.2
NetR23_2: R23.2 U9.10 | length 7
  Top Layer w0.152: U9.10 35.652,46.549 36.195,47.092 36.195,49.276 34.627,50.844 R23.2
NetR24_2: R24.2 U9.12 | length 7
  Top Layer w0.152: U9.12 35.425,47.849 35.89,48.314 35.89,49.113 34.098,50.905 34.098,52.096 R24.2
NetR25_1: R25.1 U9.1 U9.2 | length 5.8
  Top Layer w0.152: U9.2 U9.1 29.899,49.149 30.607,49.857 30.607,51.87 R25.1
NetR26_1: R26.1 U9.6 U9.7 | length 10.4
  Top Layer w0.152: U9.6 29.845,45.899 30.912,46.966 30.912,52.744 R26.1
  Top Layer w0.254: U9.7 U9.6
NetR27_1: R27.1 U9.8 U9.9 | length 8.6
  Top Layer w0.152: R27.1 32.968,51.895 32.968,46.28 33.349,45.899 U9.9
  Top Layer w0.254: U9.8 U9.9
NetR28_1: R28.1 U9.13 U9.14 | length 6.3
  Top Layer w0.152: R28.1 33.273,52.769 33.273,49.531 33.655,49.149 U9.14
  Top Layer w0.254: U9.13 U9.14
NetR30_1: R30.1 U10.7 | length 3.9
  Top Layer w0.152: R30.1 10.432,46.706 10.432,48.764 10.821,49.153 U10.7
NetR35_2: R35.2 U11.9 | length 1.5
  Top Layer w0.152: U11.9 R35.2@16.129,53.425
NetR37_2: R37.2 U1.33 | length 33.2
  Top Layer w0.152: R37.2 v1(8.419,51.975) ; v1(17.133,28.804) U1.33
  Bottom Layer w0.152: v1(8.419,51.975) 9.677,50.717 9.677,29.693 10.566,28.804 v1(17.133,28.804)
NetR38_2: R38.2 U1.34 | length 33.6
  Top Layer w0.152: R38.2 v1(8.419,50.715) ; v1(17.633,28.245) U1.34
  Bottom Layer w0.152: v1(8.419,50.715) 9.373,49.761 9.373,29.337 10.465,28.245 v1(17.633,28.245)
NetR39_2: R39.2 U1.35 | length 25.7
  Top Layer w0.152: R39.2 v1(8.419,41.175) ; v1(18.133,27.711) U1.35
  Bottom Layer w0.152: v1(8.419,41.175) 9.068,40.526 9.068,28.981 10.338,27.711 v1(18.133,27.711)
NetR40_2: R40.2 U1.36 | length 26
  Top Layer w0.152: R40.2 v1(8.419,39.926) ; v1(18.633,27.229) U1.36
  Bottom Layer w0.152: v1(8.419,39.926) 8.763,39.582 8.763,28.6 10.135,27.229 v1(18.633,27.229)
NetR58_1: R58.1 SWD.3 | length 1.7
  Top Layer w0.152: R58.1 SWD.3
NetR59_1: R59.1 SWD.2 | length 1.7
  Top Layer w0.152: R59.1 SWD.2
NetU1_37: U1.37 UART.3 | length 22.8
  Top Layer w0.152: v1(4.928,26.848) 4.14,26.848 3.638,27.35 3.638,27.396 3.636,27.399 3.636,29.01 4.4,29.775 UART.3 ; v1(19.133,28.804) U1.37
  Bottom Layer w0.152: v1(4.928,26.848) 17.17,26.848 17.45,26.568 18.771,26.568 19.133,26.931 v1(19.133,28.804)
NetU1_38: U1.38 UART.2 | length 25.5
  Top Layer w0.152: UART.2 4.38,31.025 3.331,29.976 3.331,27.272 3.334,27.27 3.334,27.186 4.129,26.391 v1(5.537,26.391) ; v1(19.633,28.245) U1.38
  Bottom Layer w0.152: v1(5.537,26.391) 16.993,26.391 17.247,26.137 19.05,26.137 19.633,26.72 v1(19.633,28.245)
NetU1_58: U1.58
NetU1_59: U1.59
NetU2_1: U2.1 USB.A7 USB.B7 | length 5.5
  Top Layer w0.152: U2.1 20.25,10.108 USB.B7 20.25,6.801 20.447,6.604 21.083,6.604 21.25,6.771 USB.A7
NetU2_3: U2.3 USB.A6 USB.B6 | length 4.6
  Top Layer w0.152: USB.A6 20.75,8.303 20.956,8.509 21.75,8.509 ; USB.B6 21.75,8.509 ; U2.3 21.75,10.066 21.75,8.509
nRST: C53.2 R60.2 RST.1 RST.3 U1.7 | length 41.8
  Top Layer w0.152: RST.3 2.236,58.343 RST.1 ; v1(4.445,57.302) 3.405,58.343 RST.1 ; R60.2 C53.2 4.102,59.194 RST.1 ; v1@18.39,38.719 21.041,38.719 21.633,39.311 U1.7
  Bottom Layer w0.152: v1(4.445,57.302) 5.156,56.591 5.156,53.721 6.375,52.502 12.065,52.502 13.64,50.927 13.64,46.126 15.519,44.247 15.519,39.294 16.069,38.744 v1(18.39,38.744)
P.MOS_G: Q1.G R7.2 R8.1 | length 3.8
  Top Layer w0.305: Q1.G R7.2 R8.1
RF_CE: U1.25 U5.1 | length 25.8
  Top Layer w0.152: U5.1 8.919,15.167 9.144,15.392 10.277,15.392 12.217,17.333 12.217,35.179 12.757,35.719 U1.25
RF_IRQ: R13.2 U1.20 U5.6 | length 38.4
  Top Layer w0.152: R13.2 2.388,16.916 4.719,16.916 5.358,16.277 5.358,14.073 5.62,13.811 U5.6 6.283,13.811 6.545,14.073 6.545,15.613 7.849,16.916 9.645,16.916 10.693,17.964 10.693,36.726 12.186,38.219 U1.20
SPI_CLK: U1.21 U5.3 | length 28
  Top Layer w0.152: U5.3 7.919,15.488 8.433,16.002 10.024,16.002 11.608,17.586 11.608,35.738 13.589,37.719 U1.21
SPI_CS: U1.24 U5.2 | length 26.8
  Top Layer w0.152: U5.2 8.419,15.457 8.659,15.697 10.15,15.697 11.913,17.459 11.913,35.535 12.597,36.219 U1.24
SPI_MISO: U1.22 U5.5 | length 29.1
  Top Layer w0.152: U5.5 6.919,15.516 8.015,16.612 9.772,16.612 10.998,17.838 10.998,36.525 11.684,37.211 v1(12.192,37.211) ; v1(13.978,37.219) U1.22
  Bottom Layer w0.152: v1(12.192,37.211) 13.97,37.211 v1(13.978,37.219)
SPI_MOSI: U1.23 U5.4 | length 28.2
  Top Layer w0.152: U5.4 7.419,15.488 8.238,16.307 9.898,16.307 11.303,17.712 11.303,36.144 v1(11.608,36.449) ; v1(13.478,36.719) U1.23
  Bottom Layer w0.152: v1(11.608,36.449) 11.878,36.719 v1(13.478,36.719)
SW_CLK: R58.2 U1.49 | length 9.3
  Top Layer w0.152: U1.49 29.025,32.219 31.043,30.201 33.93,30.201 R58.2
SW_DIO: R59.2 U1.46 | length 13.1
  Top Layer w0.152: U1.46 23.633,31.419 24.064,31.85 28.962,31.85 30.917,29.896 34.379,29.896 R59.2
USB_SMP: C26.2 R19.2 R20.1 U1.27 | length 15.9
  Top Layer w0.152: R20.1 14.947,24.99 12.827,27.11 12.827,34.061 13.485,34.719 U1.27
  Top Layer w0.254: C26.2 R20.1 R19.2
USBD_N: R5.2 U1.44 | length 15.1
  Top Layer w0.152: R5.2 20.853,16.623 20.853,25.674 22.633,27.454 U1.44
USBD_P: R2.2 U1.45 | length 15.2
  Top Layer w0.152: R2.2 21.209,16.641 21.209,25.527 23.133,27.451 U1.45
VBAT: BAT.1 C20.2 Q1.S R7.1 S1.1 U4.9 | length 7.3
  Top Layer w0.305: R7.1 v2(33.821,17.653) 33.821,16.112 34.134,15.799 ; v2(35.95,17.662) 37.096,18.808 S1.1
  Bottom Layer w0.305: v2(33.821,17.653) 33.83,17.662 v2(35.95,17.662)
VBAT_SMP: C19.2 R9.2 R10.1 U1.26 | length 21.1
  Top Layer w0.152: U1.26 13.375,35.219 12.522,34.366 12.522,23.317 13.132,22.708 15.392,22.708 15.672,22.428 15.672,21.971
  Top Layer w0.254: R9.2 15.672,21.971 R10.1 C19.2
VDC: C15.2 C16.2 DS2.2 PWML.1 PWMR.1 PWMW.1 Q1.D R9.1 U3.1 U3.3 | length 32.7
  Top Layer w0.254: v1(14.097,21.351) R9.1
  Top Layer w0.305: C15.2 v1(32.268,21.082) C16.2 U3.1 32.268,24.191 32.563,24.486 33.799,24.486 34.168,24.117 U3.3
  Top Layer w0.559: PWML.1 v1(12.755,60.078) v1(12.755,60.757) ; PWMW.1 v1(23.762,60.078) v1(23.762,60.757) ; PWMR.1 v1(34.768,60.078) v1(34.768,60.757)
  Bottom Layer w0.178: v1(14.097,21.351) 15.458,19.99 31.176,19.99 v1(32.268,21.082)
  other v1: 29.87,13.614 30.251,14.376 30.251,15.071 30.251,15.765 30.251,16.459
VUSB: C10.2 C12.2 C22.2 D2.1 D2.4 L1.1 L2.1 R11.2 R12.1 R19.1 U2.5 U4.2 USB.A4B9 USB.B4A9 | length 36
  Top Layer w0.152: R19.1 18.161,24.047 18.161,21.641 17.602,21.082 17.12,21.082 16.68,20.642 16.68,13.038 v1(17.653,12.065)
  Top Layer w0.254: C10.2 18.407,4.691 18.943,5.227 18.943,6.772 18.6,7.115 USB.A4B9
  Top Layer w0.305: C12.2@18.547,11.374 C12.2 18.943,11.684 v1(20.452,11.684) 21.021,12.253 U2.5 ; D2.4 26.936,2.425 v1(27.661,3.15) 28.436,3.925 D2.1 ; v1(29.928,3.676) R11.2 ; v1(32.322,0.901) R12.1 ; v1(33.985,3.327) 34.134,3.476 U4.2
  Top Layer w0.508: USB.A4B9 v2(18.6,8.55) ; USB.B4A9 v2(23.4,8.55) v2(24.079,9.229) 25.068,10.218 L1.1
  other v1: 37.795,2.21 38.665,2.21 39.535,2.21 40.405,2.21 41.275,2.21
pads on no net: A1.5 A1.6 A2.5 A2.6 BOOT. JCON.0 pD1.5 pD1.6 pD2.5 pD2.6 PWML.5 PWML.6 PWMR.5 PWMR.6 PWMW.5 PWMW.6 RST. S1. SWD.5 SWD.6 U1.4 U1.8 U1.9 U1.28 U1.43 U4.10 U10.0 U11.0 U11.2 U11.3 U11.4 U11.5 U11.6 U11.7 U11.14 U11.15 U11.16 U11.17 U11.19 U11.21 U11.22 UART.5 UART.6 USB.0@18.11,6.51 USB.0@23.89,6.51 USB.A8 USB.B8

## Polygon pours and split planes (outlines as drawn)
VBAT on Top Layer "Top Layer-VBAT" (solid, pour order 0): 34.474,11.024 35.357,11.024 35.687,10.693 35.687,9.29 35.255,8.858 35.255,7.823 35.814,7.823 37.541,9.55 40.894,9.55 40.894,12.446 37.084,12.446 36.219,13.311 35.56,13.97 35.56,16.002 34.134,16.002 34.134,11.364
VDC on Top Layer "Top Layer-VDC" (solid, pour order 18): 28.423,12.826 28.423,11.633 29.413,11.633 29.413,12.504 30.828,13.894 33.223,13.894 33.223,17.018 29.769,17.018 29.769,14.172
VUSB on Top Layer "Top Layer-VUSB" (solid, pour order 16): 37.325,4.115 37.325,2.146 37.643,1.829 38.843,1.829 39.065,1.607 39.065,0.559 40.792,0.559 41.808,1.575 41.808,4.115
NetC24_2 on Top Layer "Top Layer-NetC24_2" (solid, pour order 4): 35.941,7.696 35.941,6.375 36.855,6.375 37.846,7.366 39.014,7.366 39.014,8.89 37.395,8.89 37.135,8.89
NetC21_1 on Top Layer "Top Layer-NetC21_1" (solid, pour order 2): 35.95,5.055 35.941,3.378 35.331,2.769 35.331,1.295 36.932,1.295 36.932,4.547 37.719,5.334 41.275,5.334 41.275,6.858 37.694,6.858 37.033,6.198 35.95,6.198
GND on GND "GND_L02_P025" (solid, pour order 25): 0,2 ccw(c2,2) 2,0 40,0 ccw(c40,2) 42,2 42,62 ccw(c40,62) 40,64 2,64 ccw(c2,62) 0,62
AGND on GND "AGND_L02_P008" (solid, pour order 8): 16.688,40.386 19.279,40.386 19.761,40.869 19.761,49.403 20.599,50.241 25.654,50.241 26.518,49.378 26.518,45.263 29.87,41.91 29.87,40.361 31.598,38.633 38.913,38.633 38.913,54.077 37.846,55.143 26.314,55.143 25.387,54.216 18.758,54.216 16.281,51.74 16.281,40.792
+3.3V on PWR "+3.3V_L03_P022" (solid, pour order 22): 14.681,18.542 15.745,17.479 26.089,17.479 30.759,22.149 36.906,22.149 38.71,23.952 38.71,53.619 33.02,59.309 5.69,59.309 5.69,64 2,64 ccw(c2,62) 0,62 0,18.542
VDC on PWR "VDC_L03_P020" (solid, pour order 20): 37.033,21.971 38.887,23.825 38.887,53.645 33.02,59.512 5.944,59.512 5.944,63.983 40,63.983 40,64 cw(c40,62) 42,62 42.012,9.601 29.286,9.601 27.686,11.201 27.686,18.821 30.836,21.971
VUSB on PWR "VUSB_L03_P014" (solid, pour order 14): 15.24,16.383 16.104,17.247 26.492,17.247 27.229,16.561 27.229,11.024 28.956,9.296 42,9.296 42,2 cw(c40,2) 40,0 15.24,0
+3.3V-RF on PWR "+3.3V-RF_L03_P024" (solid, pour order 24): 0,2 ccw(c2,2) 2,0 15.062,0 15.062,17.704 14.402,18.364 0,18.364
no net on PWR "PWR-No Net" (solid, pour order 10): 17.551,48.565

## Silkscreen, mask and mechanical layers (free items; w line width, h text height)
Top Overlay:
  drawing of 1211 lines, arcs and shapes, not listed
Bottom Overlay:
  drawing of 1995 lines, arcs and shapes, not listed
Mechanical 1:
  circle w0.254: c7,46 r1
  circle w0.254: c28,28 r1
  circle w0.254: c2,2 r1
  lines w0.1: 0,2 ccw(c2,2) 2,0 40,0 ccw(c40,2) 42,2 42,62 ccw(c40,62) 40,64 2,64 ccw(c2,62) 0,62 0,2